# Altium PCB LimePSB-RPCM_1v3.PcbDoc (part 3 of 10) (continued)
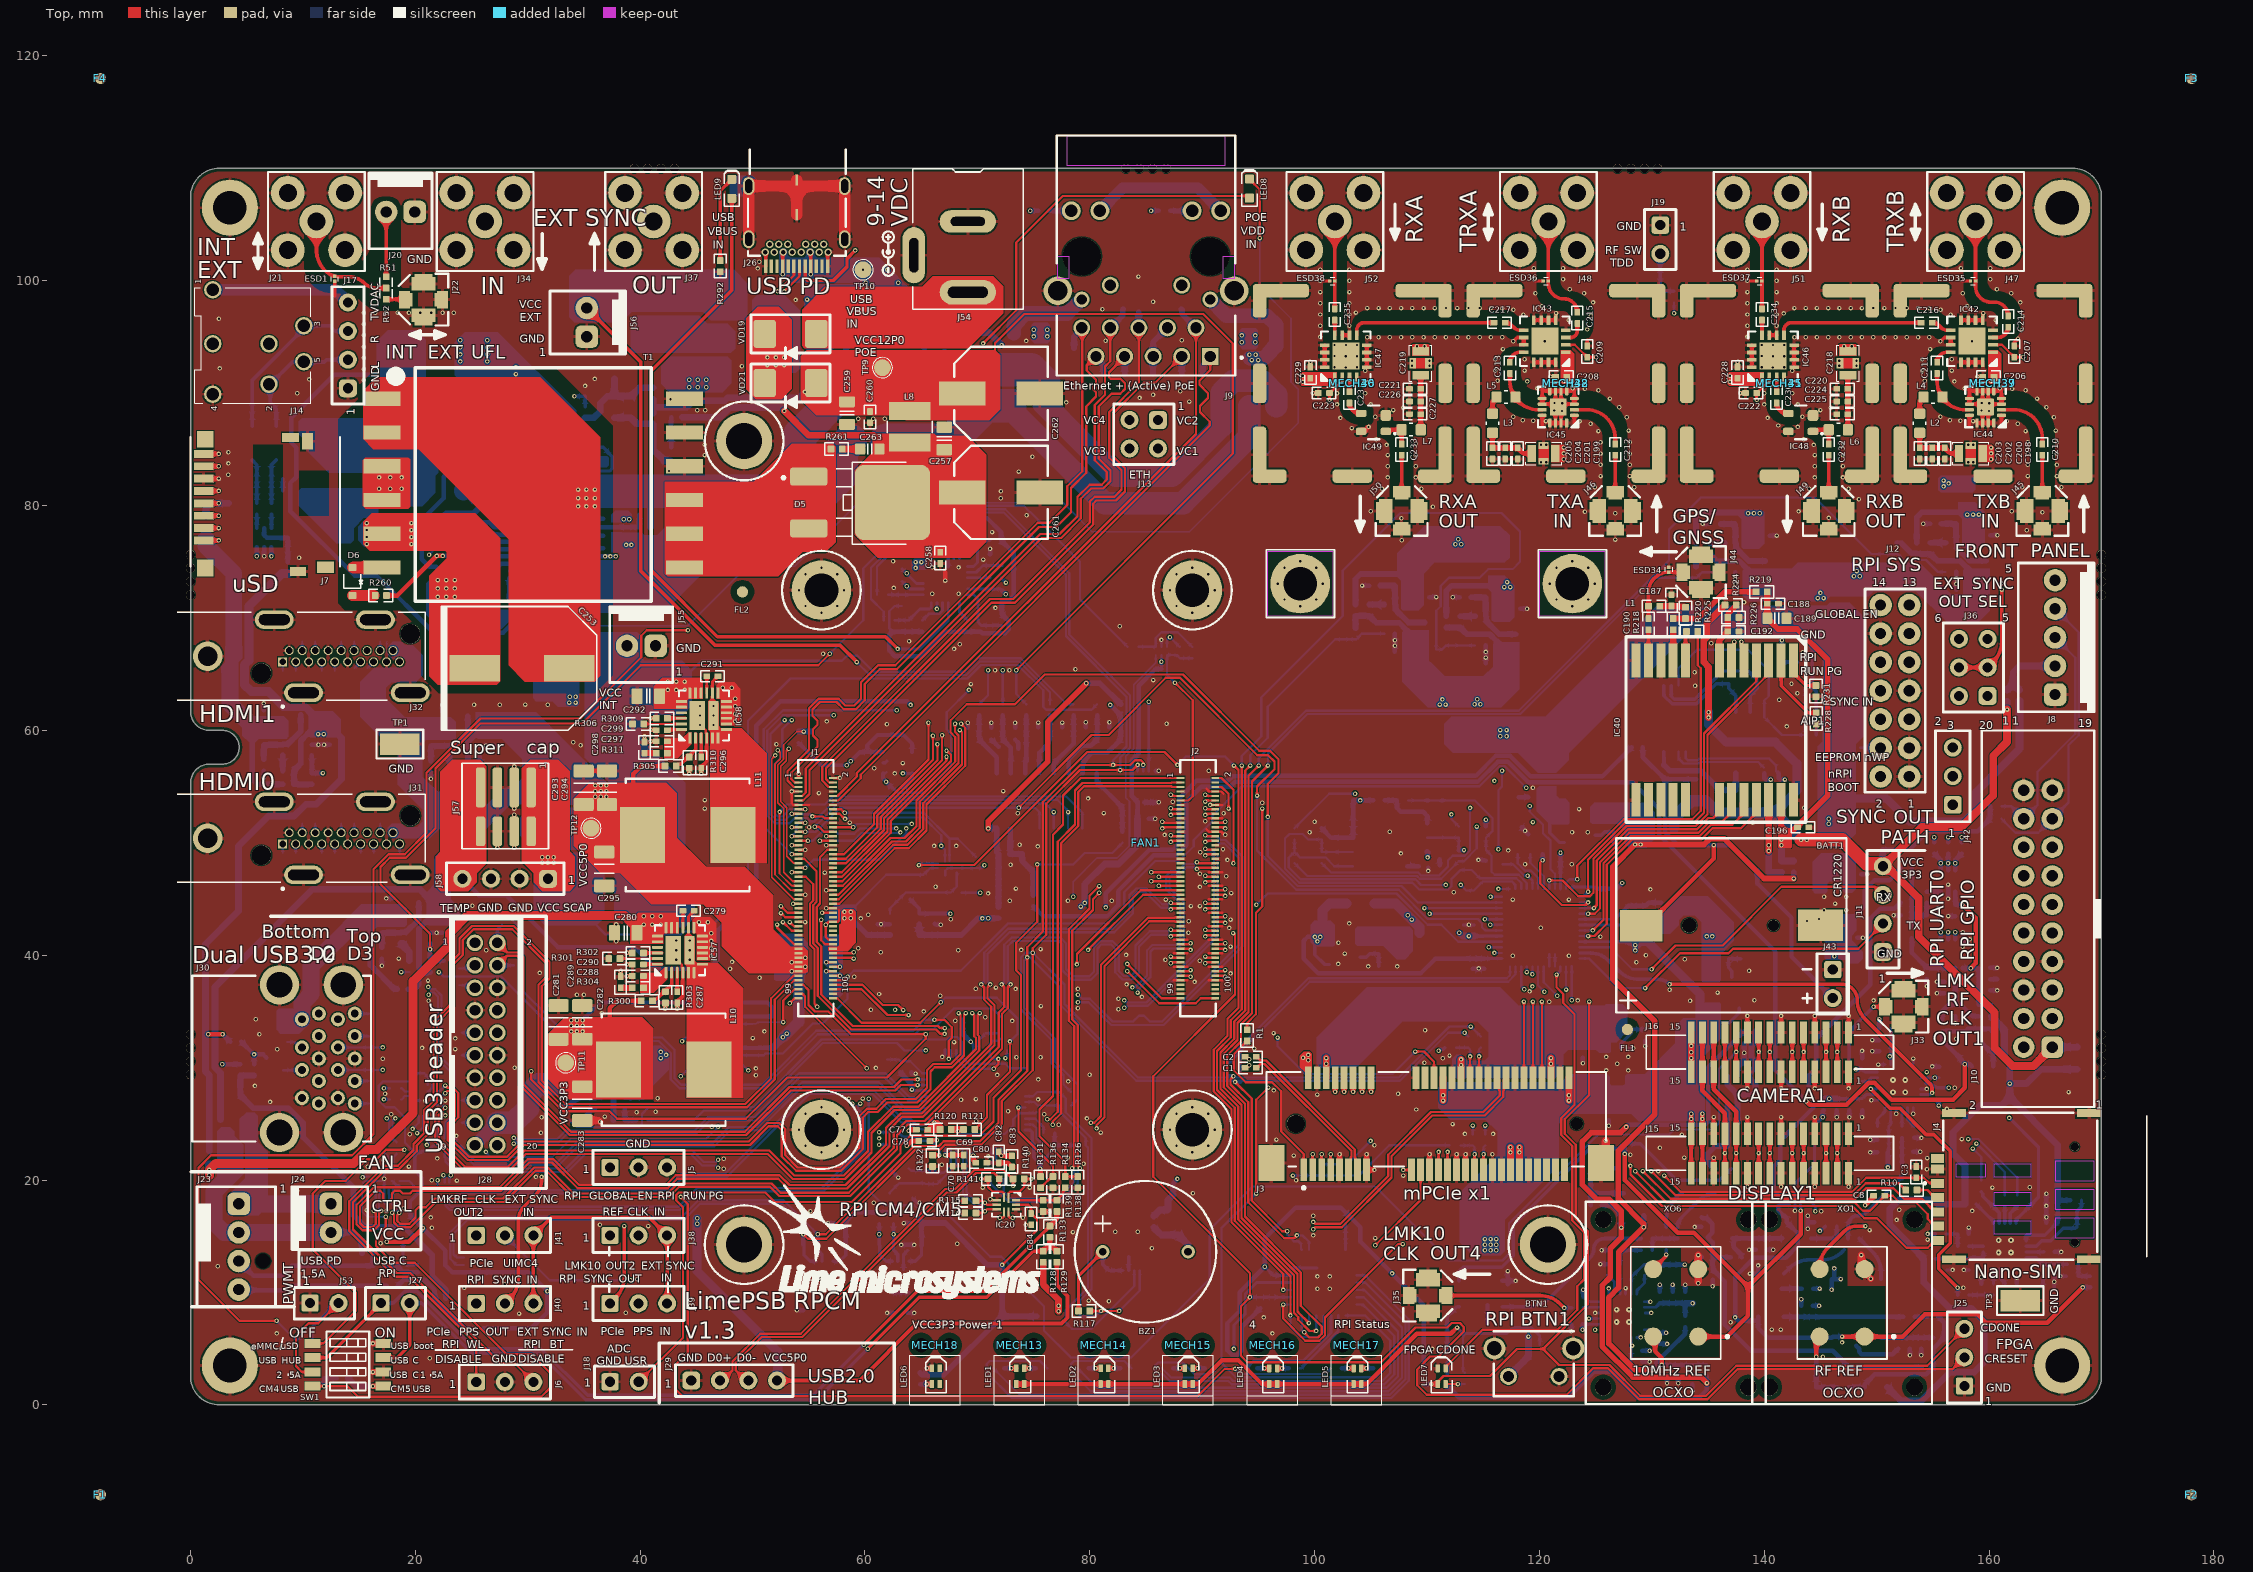
[diagram p0: Top view]
## Part data (continued)
C16 C34 C87 C92 C96 C132 C133 C183 C184 C236 C237 C238 C239 C287 C296: library part Cap_0402, Capacitance=1, Capacitance Tolerance="± 10%", Ceramic Capacitor Case="0402 [1005 Metric]", Dielectric Characteristic=X6, Manufacturer=Yageo, Manufacturer Part Number 1=CC0402MRX5R6BB105, Supplier Part Number 1=311-1732-1-ND, Voltage Rating=10, MSL=-, Part Description="1µF 10V Ceramic Capacitor X5R 0402 (1005 Metric) 0.039\" L x 0.020\" W (1.00mm x 0.50mm)", Product Range="TDK - C Series", RoHS=YES, Supplier 1=Digi-Key
  C132 C133 C183 C184: Assembly Info=NF
C28 C53 C55 C57 C59 C62 C64 C66: library part Cap_0402, Capacitance=4.7µF, Manufacturer="Murata Electronics North America", Manufacturer Part Number=GRM155R60J475ME87D, Operating Temperature="-55°C ~ 85°C", Package / Case="0402 (1005 Metric)", Ratings=-, Supplier Part Number 1=490-5408-1-ND, Temperature Coefficient=X5R, Tolerance=±20%, Voltage - Rated=6.3V, Applications="General Purpose", Category=Capacitors, Features="Derating Recommended", Height - Seated (Max)=-, Lead Spacing=-, Lead Style=-, Manufacturer Part Number 1=GRM155R60J475ME87D, Mounting Type="Surface Mount, MLCC", Packaging="Cut Tape (CT)", Part Description="4.7µF ±20% 6.3V X5R Ceramic Capacitor -55°C ~ 85°C Surface Mount, MLCC 0402 (1005 Metric) 0.039\" L x 0.020\" W (1.00mm x 0.50mm)", RoHS="RoHS Compliant", Size / Dimension="0.039\" L x 0.020\" W (1.00mm x 0.50mm)", Supplier 1=Digi-Key, Thickness (Max)="0.022\" (0.55mm)"
C111 C119 C120 C126 C127 C128 C129 C136 C137 C138 C139 C142 C144 C145 C146 C162 C170 C171 C177 C178 C179 C180 C190 C197 C203 C205 C206 C208 C210 C211 C212 C213 C214 C215 C216 C217 C225 C227 C228 C229 C230 C231 C232 C233 C234 C235: library part Cap_0402, Capacitance=100pF, Manufacturer=Yageo, Manufacturer Part Number 1=CC0402JRNPO9BN101, Operating Temperature="-55°C ~ 125°C", Package / Case="0402 (1005 Metric)", Ratings=-, Supplier Part Number 1=311-1024-1-ND, Temperature Coefficient="C0G, NP0", Tolerance=±5%, Voltage - Rated=50V, Applications="General Purpose", Category=Capacitors, Features=-, Height - Seated (Max)=-, Lead Spacing=-, Lead Style=-, Mounting Type="Surface Mount, MLCC", Packaging="Cut Tape (CT)", Part Description="100pF ±5% 50V C0G, NP0 Ceramic Capacitor -55°C ~ 125°C Surface Mount, MLCC 0402 (1005 Metric) 0.039\" L x 0.020\" W (1.00mm x 0.50mm)", RoHS="RoHS Compliant", Size / Dimension="0.039\" L x 0.020\" W (1.00mm x 0.50mm)", Supplier 1=Digi-Key, Thickness (Max)="0.022\" (0.55mm)"
C116 C121 C167 C172: library part Cap_0402, "CAP CER 1UF 10V X5R 0402", Capacitance=1, Capacitance Tolerance="± 10%", Ceramic Capacitor Case="0402 [1005 Metric]", Dielectric Characteristic=X6, Manufacturer=Yageo, Manufacturer Part Number 1=CC0402MRX5R6BB105, Supplier Part Number 1=311-1732-1-ND, Voltage Rating=10, Assembly Info=NF, MSL=-, Part Description="1µF 10V Ceramic Capacitor X5R 0402 (1005 Metric) 0.039\" L x 0.020\" W (1.00mm x 0.50mm)", Product Range="TDK - C Series", RoHS=YES, Supplier 1=Digi-Key
C123 C174: library part Cap_0402, Capacitance=0.018µF, Manufacturer=Yageo, Manufacturer Part Number 1=CC0402KRX7R7BB183, Operating Temperature="-55°C ~ 125°C", Package / Case="0402 (1005 Metric)", Supplier Part Number 1=311-1706-1-ND, Temperature Coefficient=X7R, Tolerance=±10%, Voltage - Rated=16V, Applications="General Purpose", Assembly Info=NF, Category=Capacitors, Mounting Type="Surface Mount, MLCC", Packaging="Cut Tape (CT)", Part Description="0.018µF ±10% 16V Ceramic Capacitor X7R 0402 (1005 Metric)", Part Status=Active, RoHS="RoHS Compliant", Size / Dimension="0.039\" L x 0.020\" W (1.00mm x 0.50mm)", Supplier 1=Digi-Key, Thickness (Max)="0.022\" (0.55mm)"
C148 C150 C151: library part Cap_0402, Manufacturer="Murata Electronics North America", Manufacturer Part Number 1=GCM155R71H102KA37D, Operating Temperature="-55°C ~ 125°C", Package / Case="0402 (1005 Metric)", Ratings=AEC-Q200, Supplier Part Number 1=490-4761-1-ND, Temperature Coefficient=X7R, Tolerance=±10%, Voltage - Rated=50V, Applications=Automotive, Category=Capacitors, Features=-, Height - Seated (Max)=-, Lead Spacing=-, Lead Style=-, Mounting Type="Surface Mount, MLCC", Packaging="Cut Tape (CT)", Part Description="1000pF ±10% 50V Ceramic Capacitor X7R 0402 (1005 Metric)", Part Status=Active, RoHS="RoHS Compliant", Size / Dimension="0.039\" L x 0.020\" W (1.00mm x 0.50mm)", Supplier 1=Digi-Key, Thickness (Max)="0.022\" (0.55mm)"
C157: library part Cap_0402, Capacitance=220pF, Manufacturer=Yageo, Manufacturer Part Number 1=CC0402KRX7R9BB221, Operating Temperature="-55°C ~ 125°C", Package / Case="0402 (1005 Metric)", Ratings=-, Supplier Part Number 1=311-1035-2-ND, Temperature Coefficient=X7R, Tolerance=±10%, Voltage - Rated=50V, Applications="General Purpose", Category=Capacitors, Features=-, Height - Seated (Max)=-, Lead Spacing=-, Lead Style=-, Mounting Type="Surface Mount, MLCC", Packaging="Tape & Reel (TR)", Part Description="220pF ±10% 50V X7R Ceramic Capacitor -55°C ~ 125°C Surface Mount, MLCC 0402 (1005 Metric) 0.039\" L x 0.020\" W (1.00mm x 0.50mm)", RoHS="RoHS Compliant", Size / Dimension="0.039\" L x 0.020\" W (1.00mm x 0.50mm)", Supplier 1=Digi-Key, Thickness (Max)="0.022\" (0.55mm)"
C189: library part Cap_0603, Capacitance=10µF, Manufacturer=Yageo, Manufacturer Part Number 1=CC0603MRX5R5BB106, Package / Case="0603 (1608 Metric)", Supplier Part Number 1=311-1448-2-ND, Tolerance=±20%, Voltage - Rated=6.3V, Category=Capacitors, Part Description="10µF ±20% 6.3V X5R Ceramic Capacitor -55°C ~ 85°C Surface Mount, MLCC 0603 (1608 Metric) 0.063\" L x 0.031\" W (1.60mm x 0.80mm)", Supplier 1=Digi-Key
C198 C199 C218 C219: library part Cap_feed_through, Capacitance=470nF, Case/Package=0805, Case Code (Metric)=2012, Current=2A, DC Resistance (DCR)=30mR, Insulation Resistance=1GR, Manufacturer=Murata, Manufacturer Part Number 1=NFM21PC474R1C3D, Max Operating Temperature=125°C, Max Voltage Rating (DC)=16V, Min Operating Temperature=-55°C, Package Quantity=1, Supplier Part Number 1=490-2537-1-ND, Tolerance=20%, Case Code (Imperial)=0805, Current Rating=2A, Depth=1.25mm, Height=0.85mm, Lead Free="Lead Free", Length=2mm, Max Current Rating=2A, Mount="Surface Mount,PCB", Packaging="Tape and Reel", Part Description="0.47µF Feed Through Capacitor 16V 2A 30mOhm 0805 (2012 Metric), 3 PC Pad", Pricing 1="1=0,25000, 10=0,22900, 25=0,21840, 50=0,21160, 100=0,20450, 250=0,19392, 500=0,16218, 1000=0,12586 (USD)", Radiation Hardening=No, REACH SVHC="No SVHC", RoHS=Yes, Stock 1=220606, Supplier 1=Digi-Key, Termination=Flat, Voltage=16V, Voltage Rating=16V, Voltage Rating (DC)=16V, Weight=0.000194oz, Width=1.25mm
C207 C209 C222 C223 C265: library part Cap_0402, Manufacturer="Murata Electronics North America", Manufacturer Part Number 1=GRM155R71H103KA88D, Operating Temperature="-55°C ~ 125°C", Package / Case="0402 (1005 Metric)", Ratings=-, Supplier Part Number 1=490-4516-2-ND, Temperature Coefficient=X7R, Tolerance=±10%, Voltage - Rated=50V, Applications="General Purpose", Category=Capacitors, ComponentLink1Description=http://www.murata.com/~/media/webrenewal/support/library/catalog/products/capacitor/mlcc/c02e.ashx?la=en-us, ComponentLink1URL=http://www.murata.com/~/media/webrenewal/support/library/catalog/products/capacitor/mlcc/c02e.ashx?la=en-us, Features=-, Height - Seated (Max)=-, Lead Spacing=-, Lead Style=-, Mounting Type="Surface Mount, MLCC", Packaging="Tape & Reel (TR)", Part Description="10000pF ±10% 50V Ceramic Capacitor X7R 0402 (1005 Metric)", Part Status=Active, Pricing 1="10000=0.00185, 20000=0.00176, 30000=0.00167 (USD)", RoHS="RoHS Compliant", Size / Dimension="0.039\" L x 0.020\" W (1.00mm x 0.50mm)", Stock 1=10970000, Supplier 1=Digi-Key, Thickness (Max)="0.022\" (0.55mm)"
C252 C254: library part Cap_0603, Manufacturer="Murata Electronics North America", Manufacturer Part Number 1=GRM188R72A104KA35D, Operating Temperature="-55°C ~ 125°C", Package / Case="0603 (1608 Metric)", Ratings=-, Supplier Part Number 1=490-3285-1-ND, Temperature Coefficient=X7R, Tolerance=±10%, Voltage - Rated=100V, Applications="General Purpose", Category=Capacitors, Features=-, Height - Seated (Max)=-, Lead Spacing=-, Lead Style=-, Mounting Type="Surface Mount, MLCC", Notification="Current market demand for these product types have resulted in fluctuating and extending lead times. Lead times may differ.", Packaging="Cut Tape (CT)", Part Description="0.1µF ±10% 100V Ceramic Capacitor X7R 0603 (1608 Metric)", Part Status="Not For New Designs", RoHS="RoHS Compliant", Size / Dimension="0.063\" L x 0.031\" W (1.60mm x 0.80mm)", Supplier 1=Digi-Key, Thickness (Max)="0.035\" (0.90mm)"
C253: library part Cap_ceramic, Capacitance=100uF, Case/Package=Radial, Manufacturer=KEMET, Manufacturer Part Number 1=EEV107M063A9PAA, Max Operating Temperature=105°C, Min Operating Temperature=-40°C, Package Quantity=1, Supplier Part Number 1=399-6702-1-ND, Tolerance=20%, Voltage Rating=63V, ComponentLink1Description=http://components.arrow.com/part/dataview/41677645S8110057N1386, ComponentLink1URL=http://components.arrow.com/part/dataview/41677645S8110057N1386, ComponentLink2Description=https://www.distrelec.biz/Web/Downloads/_t/ds/PAN-FK_eng_tds.pdf?mime=application%2Fpdf, ComponentLink2URL=https://www.distrelec.biz/Web/Downloads/_t/ds/PAN-FK_eng_tds.pdf?mime=application%2Fpdf, ComponentLink3Description=http://uk.rs-online.com/webdocs/139e/0900766b8139e40f.pdf, ComponentLink3URL=http://uk.rs-online.com/webdocs/139e/0900766b8139e40f.pdf, ComponentLink4Description=http://www.alliedelec.com/m/d/e9dd47fa10a053d1f2828ce8bc944f54.pdf, ComponentLink4URL=http://www.alliedelec.com/m/d/e9dd47fa10a053d1f2828ce8bc944f54.pdf, ComponentLink5Description=https://industrial.panasonic.com/cdbs/www-data/pdf/RDE0000/ABA0000C1181.pdf, ComponentLink5URL=https://industrial.panasonic.com/cdbs/www-data/pdf/RDE0000/ABA0000C1181.pdf, ComponentLink6Description=http://www.farnell.com/datasheets/2002520.pdf, ComponentLink6URL=http://www.farnell.com/datasheets/2002520.pdf, ComponentLink7Description=http://industrial.panasonic.com/www-data/pdf/ABA0000/ABA0000CE120.pdf, ComponentLink7URL=http://industrial.panasonic.com/www-data/pdf/ABA0000/ABA0000CE120.pdf, ComponentLink8Description=http://www.farnell.com/datasheets/731857.pdf, ComponentLink8URL=http://www.farnell.com/datasheets/731857.pdf, ComponentLink9Description=http://www.produktinfo.conrad.com/datenblaetter/425000-449999/443507-da-01-en-SMD_ELKO_VFK_F_22_UF_100V.pdf, ComponentLink9URL=http://www.produktinfo.conrad.com/datenblaetter/425000-449999/443507-da-01-en-SMD_ELKO_VFK_F_22_UF_100V.pdf, ComponentLink10Description=https://industrial.panasonic.com/cdbs/www-data/pdf/RDE0000/DME0000COL90.pdf, ComponentLink10URL=https://industrial.panasonic.com/cdbs/www-data/pdf/RDE0000/DME0000COL90.pdf, ComponentLink11Description=http://www.industrial.panasonic.com/www-data/pdf/ABA0000/ABA0000CE2.pdf, ComponentLink11URL=http://www.industrial.panasonic.com/www-data/pdf/ABA0000/ABA0000CE2.pdf, ComponentLink12Description=http://www.mouser.com/ds/2/315/ABA0000C1145-947633.pdf, ComponentLink12URL=http://www.mouser.com/ds/2/315/ABA0000C1145-947633.pdf, ComponentLink13Description=http://www.farnell.com/datasheets/2648708.pdf, ComponentLink13URL=http://www.farnell.com/datasheets/2648708.pdf, ComponentLink14Description=http://industrial.panasonic.com/www-data/pdf/ABA0000/ABA0000CE2.pdf, ComponentLink14URL=http://industrial.panasonic.com/www-data/pdf/ABA0000/ABA0000CE2.pdf, ComponentLink15Description=https://datasheet.ciiva.com/15949/41cat-db-al-cgieejppdfnamemve-cgieejppdfnamemve-15949785.pdf?src-supplier=Onlinecomponents.com, ComponentLink15URL=https://datasheet.ciiva.com/15949/41cat-db-al-cgieejppdfnamemve-cgieejppdfnamemve-15949785.pdf?src-supplier=Onlinecomponents.com, ComponentLink16Description=http://www.mouser.com/ds/2/212/KEM_A4002_EEV-535332.pdf?src-supplier=Mouser, ComponentLink16URL=http://www.mouser.com/ds/2/212/KEM_A4002_EEV-535332.pdf?src-supplier=Mouser, ComponentLink17Description=https://content.kemet.com/datasheets/KEM_A4002_EEV.pdf?src-supplier=Digi-Key, ComponentLink17URL=https://content.kemet.com/datasheets/KEM_A4002_EEV.pdf?src-supplier=Digi-Key, Height - Seated (Max)=0.413inch, Length=10.2mm, Life (Hours)=2000Hour, Mount="Surface Mount", Packaging="Tape and Reel", Part Description="100 µF 63 V Aluminum Electrolytic Capacitors Radial, Can - SMD 2000 Hrs @ 105°C", Pricing 1="1=0,92000, 10=0,69700, 50=0,57940, 100=0,49890 (USD)", RoHS=Yes, Stock 1=5871, Supplier 1=Digi-Key, Termination=SMD/SMT, Voltage Rating (DC)=63V
C255: library part Cap_0603, Capacitance=1nF, Case/Package=0603, Case Code (Metric)=1608, Dielectric=X7R, Dielectric Material=Ceramic, Manufacturer=KEMET, Manufacturer Part Number 1=C0603C102K1RACTU, Max Operating Temperature=125°C, Min Operating Temperature=-55°C, Package Quantity=1, Supplier Part Number 1=399-7831-2-ND, Tolerance=10%, Voltage=100V, Case Code (Imperial)=0603, Depth=0.8mm, Dissipation Factor=10%, Height=0.8mm, Lead Pitch=0.7mm, Length=1.6mm, Mount="Surface Mount", Number of Pins=2, Packaging="Tape and Reel", Part Description="1000pF ±10% 100V Ceramic Capacitor X7R 0603 (1608 Metric)", Radiation Hardening=No, REACH SVHC="No SVHC", Supplier 1=Digi-Key, Termination=SMD/SMT, Thickness=0.034inch, Voltage Rating=100V, Voltage Rating (DC)=100V, Width=0.8mm
C256: library part Cap_1206, Manufacturer="TDK Corporation", Manufacturer Part Number 1=C3216X7S2A225K160AE, Operating Temperature="-55°C ~ 125°C", Package / Case="1206 (3216 Metric)", Ratings=-, Supplier Part Number 1=445-8900-1-ND, Temperature Coefficient=X7S, Tolerance=±10%, Voltage - Rated=100V, Applications="Boardflex Sensitive", Category=Capacitors, Failure Rate=-, Features="Soft Termination", Height - Seated (Max)=-, Lead Spacing=-, Lead Style=-, Mounting Type="Surface Mount, MLCC", Packaging="Cut Tape (CT)", Part Description="2.2µF ±10% 100V Ceramic Capacitor X7S 1206 (3216 Metric)", Part Status=Active, RoHS="RoHS Compliant", Size / Dimension="0.126\" L x 0.063\" W (3.20mm x 1.60mm)", Supplier 1=Digi-Key, Thickness (Max)="0.075\" (1.90mm)"
C257 C259 C280 C284 C292: library part Cap_0603, Capacitance=10uF, Case/Package=0805, Case Code (Metric)=2012, Dielectric=X5R, Manufacturer=Murata, Manufacturer Part Number 1=GRM21BR61E106KA73K, Max Operating Temperature=85°C, Min Operating Temperature=-55°C, Package Quantity=10000, Supplier Part Number 1=490-16824-1-ND, Tolerance=10%, Voltage Rating=25V, Case Code (Imperial)=0805, ComponentLink1Description=http://www.mouser.com/ds/2/281/c02e-2905.pdf?src-supplier=Mouser, ComponentLink1URL=http://www.mouser.com/ds/2/281/c02e-2905.pdf?src-supplier=Mouser, ComponentLink2Description=http://search.murata.co.jp/Ceramy/image/img/A01X/G101/ENG/GRM21BR61E106KA73-01.pdf?src-supplier=Digi-Key, ComponentLink2URL=http://search.murata.co.jp/Ceramy/image/img/A01X/G101/ENG/GRM21BR61E106KA73-01.pdf?src-supplier=Digi-Key, ComponentLink3Description=https://search.murata.co.jp/Ceramy/image/img/A01X/G101/ENG/GRM21BR61E106KA73-01.pdf?src-supplier=Digi-Key, ComponentLink3URL=https://search.murata.co.jp/Ceramy/image/img/A01X/G101/ENG/GRM21BR61E106KA73-01.pdf?src-supplier=Digi-Key, Length=0.079inch, Mount="Surface Mount", Packaging="Tape and Reel", Part Description="CAP CER 10UF 25V X5R 0805", Pricing 1="1=0,19, 10=0,13, 50=0,0778, 100=0,0656, 500=0,0449, 1000=0,03972, 2500=0,038, 5000=0,03454 (USD)", RoHS=Yes, RoHS Compliant=Yes, Series=GRM, Stock 1=781136, Supplier 1=Digi-Key, Thickness=0.055inch, Voltage Rating (DC)=25V, Weight=0.000335oz, Width=0.049inch
  C257: Assembly Info=NF
C258 C260 C285 C286 C290: library part Cap_0402, Capacitance=0.022µF, Manufacturer=Kemet, Manufacturer Part Number 1=C0402C223K5RACTU, Operating Temperature="-55°C ~ 125°C", Package / Case="0402 (1005 Metric)", Ratings=-, Supplier Part Number 1=399-7780-1-ND, Temperature Coefficient=X7R, Tolerance=±10%, Voltage - Rated=50V, Applications="General Purpose", Category=Capacitors, Features=-, Height - Seated (Max)=-, Lead Spacing=-, Lead Style=-, Mounting Type="Surface Mount, MLCC", Packaging="Cut Tape (CT)", Part Description="0.022µF ±10% 50V X7R Ceramic Capacitor -55°C ~ 125°C Surface Mount, MLCC 0402 (1005 Metric) 0.039\" L x 0.020\" W (1.00mm x 0.50mm)", RoHS="RoHS Compliant", Size / Dimension="0.039\" L x 0.020\" W (1.00mm x 0.50mm)", Supplier 1=Digi-Key, Thickness (Max)="0.022\" (0.55mm)"
C261 C262: library part Cap_ceramic, Capacitance=100uF, Case/Package=Radial, ESR (Equivalent Series Resistance)=20mR, Manufacturer="Wurth Electronics", Manufacturer Part Number 1=875105344010, Max Operating Temperature=105°C, Min Operating Temperature=-55°C, Package Quantity=1, Ripple Current=2.69A, Supplier Part Number 1=732-6425-1-ND, Tolerance=20%, Voltage Rating=16V, ComponentLink1Description=http://components.arrow.com/part/dataview/41677645S8110057N1386, ComponentLink1URL=http://components.arrow.com/part/dataview/41677645S8110057N1386, ComponentLink2Description=https://www.distrelec.biz/Web/Downloads/_t/ds/PAN-FK_eng_tds.pdf?mime=application%2Fpdf, ComponentLink2URL=https://www.distrelec.biz/Web/Downloads/_t/ds/PAN-FK_eng_tds.pdf?mime=application%2Fpdf, ComponentLink3Description=http://uk.rs-online.com/webdocs/139e/0900766b8139e40f.pdf, ComponentLink3URL=http://uk.rs-online.com/webdocs/139e/0900766b8139e40f.pdf, ComponentLink4Description=http://www.alliedelec.com/m/d/e9dd47fa10a053d1f2828ce8bc944f54.pdf, ComponentLink4URL=http://www.alliedelec.com/m/d/e9dd47fa10a053d1f2828ce8bc944f54.pdf, ComponentLink5Description=https://industrial.panasonic.com/cdbs/www-data/pdf/RDE0000/ABA0000C1181.pdf, ComponentLink5URL=https://industrial.panasonic.com/cdbs/www-data/pdf/RDE0000/ABA0000C1181.pdf, ComponentLink6Description=http://www.farnell.com/datasheets/2002520.pdf, ComponentLink6URL=http://www.farnell.com/datasheets/2002520.pdf, ComponentLink7Description=http://industrial.panasonic.com/www-data/pdf/ABA0000/ABA0000CE120.pdf, ComponentLink7URL=http://industrial.panasonic.com/www-data/pdf/ABA0000/ABA0000CE120.pdf, ComponentLink8Description=http://www.farnell.com/datasheets/731857.pdf, ComponentLink8URL=http://www.farnell.com/datasheets/731857.pdf, ComponentLink9Description=http://www.produktinfo.conrad.com/datenblaetter/425000-449999/443507-da-01-en-SMD_ELKO_VFK_F_22_UF_100V.pdf, ComponentLink9URL=http://www.produktinfo.conrad.com/datenblaetter/425000-449999/443507-da-01-en-SMD_ELKO_VFK_F_22_UF_100V.pdf, ComponentLink10Description=https://industrial.panasonic.com/cdbs/www-data/pdf/RDE0000/DME0000COL90.pdf, ComponentLink10URL=https://industrial.panasonic.com/cdbs/www-data/pdf/RDE0000/DME0000COL90.pdf, ComponentLink11Description=http://www.industrial.panasonic.com/www-data/pdf/ABA0000/ABA0000CE2.pdf, ComponentLink11URL=http://www.industrial.panasonic.com/www-data/pdf/ABA0000/ABA0000CE2.pdf, ComponentLink12Description=http://www.mouser.com/ds/2/315/ABA0000C1145-947633.pdf, ComponentLink12URL=http://www.mouser.com/ds/2/315/ABA0000C1145-947633.pdf, ComponentLink13Description=http://www.farnell.com/datasheets/2648708.pdf, ComponentLink13URL=http://www.farnell.com/datasheets/2648708.pdf, ComponentLink14Description=http://industrial.panasonic.com/www-data/pdf/ABA0000/ABA0000CE2.pdf, ComponentLink14URL=http://industrial.panasonic.com/www-data/pdf/ABA0000/ABA0000CE2.pdf, ComponentLink15Description=http://www.farnell.com/datasheets/1880501.pdf?src-supplier=Farnell, ComponentLink15URL=http://www.farnell.com/datasheets/1880501.pdf?src-supplier=Farnell, ComponentLink16Description=http://www.farnell.com/datasheets/1880501.pdf?src-supplier=Element14, ComponentLink16URL=http://www.farnell.com/datasheets/1880501.pdf?src-supplier=Element14, ComponentLink17Description=https://katalog.we-online.de/pbs/datasheet/875105344010.pdf?src-supplier=Digi-Key, ComponentLink17URL=https://katalog.we-online.de/pbs/datasheet/875105344010.pdf?src-supplier=Digi-Key, ComponentLink18Description=http://katalog.we-online.de/pbs/datasheet/875105344010.pdf?src-supplier=Digi-Key, ComponentLink18URL=http://katalog.we-online.de/pbs/datasheet/875105344010.pdf?src-supplier=Digi-Key, Height - Seated (Max)=0.228inch, Life (Hours)=2000Hour, Mount="Surface Mount", Packaging="Cut Tape", Part Description="100 µF 16 V Aluminum - Polymer Capacitors Radial, Can - SMD 20mOhm 2000 Hrs @ 105°C", Polarity=Polar, Pricing 1="1=0,67000, 50=0,57400, 100=0,50000, 250=0,44500, 500=0,38900 (USD)", RoHS=Yes, RoHS Compliant=Yes, Series=WCAP-PSLP, Stock 1=19075, Supplier 1=Digi-Key, Voltage Rating (DC)=16V
  C262: Assembly Info=NF
C263: library part Cap_0402, Manufacturer="Walsin Technologies", Manufacturer Part Number 1=0603B471K201CT, Supplier Part Number 1=791-0603B471K201CT, Part Description="Multilayer Ceramic Capacitors MLCC - SMD/SMT 470pF, +-10%, 200V", Pricing 1="1=0,11000, 10=0,05200, 50=0,05200, 100=0,02400, 1000=0,01300, 10000=0,00900 (USD)", RoHS=Yes, RoHS Compliant=Yes, Stock 1=8000, Supplier 1=Mouser
C264: library part Cap_0402, Capacitance=470nF, Case/Package=0603, Case Code (Metric)=1608, Dielectric=X5R, Manufacturer="Taiyo Yuden", Manufacturer Part Number 1=UMK107ABJ474KA-T, Max Operating Temperature=85°C, Min Operating Temperature=-55°C, Package Quantity=1, Supplier Part Number 1=587-3171-1-ND, Tolerance=10%, Voltage=50V, Case Code (Imperial)=0603, ComponentLink1Description=http://www.mouser.com/ds/2/281/c02e-2905.pdf?src-supplier=Mouser, ComponentLink1URL=http://www.mouser.com/ds/2/281/c02e-2905.pdf?src-supplier=Mouser, ComponentLink2Description=http://search.murata.co.jp/Ceramy/image/img/A01X/partnumbering_e_01.pdf?src-supplier=Digi-Key, ComponentLink2URL=http://search.murata.co.jp/Ceramy/image/img/A01X/partnumbering_e_01.pdf?src-supplier=Digi-Key, ComponentLink3Description=http://search.murata.co.jp/Ceramy/image/img/A01X/G101/ENG/GRM155R61H474KE11-01.pdf?src-supplier=Digi-Key, ComponentLink3URL=http://search.murata.co.jp/Ceramy/image/img/A01X/G101/ENG/GRM155R61H474KE11-01.pdf?src-supplier=Digi-Key, ComponentLink4Description=https://search.murata.co.jp/Ceramy/image/img/A01X/G101/ENG/GRM155R61H474KE11-01.pdf?src-supplier=Digi-Key, ComponentLink4URL=https://search.murata.co.jp/Ceramy/image/img/A01X/G101/ENG/GRM155R61H474KE11-01.pdf?src-supplier=Digi-Key, ComponentLink5Description=https://datasheet.ciiva.com/30226/445umk107abj474ka-t-30226784.pdf?src-supplier=Onlinecomponents.com, ComponentLink5URL=https://datasheet.ciiva.com/30226/445umk107abj474ka-t-30226784.pdf?src-supplier=Onlinecomponents.com, ComponentLink6Description=https://datasheet.ciiva.com/6282/umk107abj474ka-t-6282326.pdf?src-supplier=Digi-Key, ComponentLink6URL=https://datasheet.ciiva.com/6282/umk107abj474ka-t-6282326.pdf?src-supplier=Digi-Key, ComponentLink7Description=https://datasheet.ciiva.com/15922/30umk107abj474ka-t-15922603.pdf?src-supplier=Onlinecomponents.com, ComponentLink7URL=https://datasheet.ciiva.com/15922/30umk107abj474ka-t-15922603.pdf?src-supplier=Onlinecomponents.com, ComponentLink8Description=https://datasheet.ciiva.com/11600/umk107abj474ka-t-ss-11600413.pdf?src-supplier=Avnet, ComponentLink8URL=https://datasheet.ciiva.com/11600/umk107abj474ka-t-ss-11600413.pdf?src-supplier=Avnet, ComponentLink9Description=https://datasheet.ciiva.com/6282/umk107abj474ka-t-6282332.pdf?src-supplier=Digi-Key, ComponentLink9URL=https://datasheet.ciiva.com/6282/umk107abj474ka-t-6282332.pdf?src-supplier=Digi-Key, Construction=Flat, Depth=0.8mm, Height=0.8mm, Lead Free="Lead Free", Length=1.6mm, Mount="Surface Mount", Packaging="Tape and Reel", Part Description="0.47 µF ±10% 50V Ceramic Capacitor X5R 0603 (1608 Metric)", Pricing 1="1=0,15000, 10=0,10900, 50=0,06200, 100=0,05140, 500=0,03604, 1000=0,02984 (USD)", Radiation Hardening=No, RoHS=Yes, RoHS Compliant=Yes, Series=M, Stock 1=614194, Supplier 1=Digi-Key, Termination=SMD/SMT, Thickness=0.037inch, Voltage Rating=50V, Voltage Rating (DC)=50V, Width=0.8mm
C266: library part Cap_0402, Capacitance=100pF, Case/Package=0603, Case Code (Metric)=1608, Dielectric=C0G, Dielectric Material=Ceramic, Manufacturer=Yageo, Manufacturer Part Number 1=CC0603JRNPOABN101, Max Operating Temperature=125°C, Min Operating Temperature=-55°C, Supplier Part Number 1=311-3979-1-ND, Tolerance=5%, Voltage Rating=200V, Applications="General Purpose", Case Code (Imperial)=0603, ComponentLink1Description=https://datasheet.ciiva.com/8033/1669968-8033768.pdf?src-supplier=Element14, ComponentLink1URL=https://datasheet.ciiva.com/8033/1669968-8033768.pdf?src-supplier=Element14, ComponentLink2Description=https://datasheet.ciiva.com/8033/1669968-8033767.pdf?src-supplier=Element14, ComponentLink2URL=https://datasheet.ciiva.com/8033/1669968-8033767.pdf?src-supplier=Element14, ComponentLink3Description=https://datasheet.ciiva.com/13263/upy-gp-np0-16v-to-50v-8-3714-13263783.pdf?src-supplier=Mouser, ComponentLink3URL=https://datasheet.ciiva.com/13263/upy-gp-np0-16v-to-50v-8-3714-13263783.pdf?src-supplier=Mouser, ComponentLink4Description=https://datasheet.ciiva.com/11465/upy-np0x7r-mv-100-to-630v-9-11465021.pdf?src-supplier=Avnet, ComponentLink4URL=https://datasheet.ciiva.com/11465/upy-np0x7r-mv-100-to-630v-9-11465021.pdf?src-supplier=Avnet, Construction=Flat, Depth=0.8mm, Height=0.8mm, Length=1.6mm, Mount="Surface Mount", Packaging="Tape and Reel", Part Description="CAP CER 100PF 200V C0G/NPO 0603", Pricing 1="1=0,11000, 10=0,08400, 50=0,04560, 100=0,03720, 500=0,02660, 1000=0,02090 (USD)", Radiation Hardening=No, REACH SVHC=Unknown, Resistor Type=Ceramic, RoHS=Yes, RoHS Compliant=Yes, Series=CC, Stock 1=39006, Supplier 1=Digi-Key, Termination=SMD/SMT, Thickness=0.035inch, Voltage Rating (DC)=200V, Weight=7.1E-05oz, Width=0.031inch
C267: library part Cap_1206, Capacitance=1nF, Case/Package=1812, Case Code (Metric)=4532, Dielectric=X7R, Dielectric Material=Ceramic, Manufacturer=KEMET, Manufacturer Part Number=C1812C102KGRACAUTO, Manufacturer Part Number 1=C1812C102KGRACTU, Max Operating Temperature=125°C, Min Operating Temperature=-55°C, Operating Temperature="-55°C ~ 125°C", Package / Case="1812 (4532 Metric)", Ratings=-, Supplier Part Number 1=399-3447-1-ND, Tolerance=±10%, Voltage - Rated="2000V (2kV)", Voltage Rating (DC)=2kV, Applications="General Purpose", Case Code (Imperial)=1812, Category=Capacitors, Failure Rate=-, Features="High Voltage", Height - Seated (Max)=-, Lead Spacing=-, Lead Style=-, Length=4.5mm, Mounting Type="Surface Mount, MLCC", Notification="Current market demand for these product types have resulted in fluctuating and extending lead times. Lead times may differ.", Packaging="Cut Tape (CT)", Part Description="1000pF ±10% 2000V (2kV) Ceramic Capacitor X7R 1812 (4532 Metric)", Part Status=Active, Pricing 2="1=0.51, 10=0.355, 100=0.2132, 500=0.1599 (USD)", RoHS="RoHS Compliant", Size / Dimension="0.177\" L x 0.126\" W (4.50mm x 3.20mm)", Stock 2=4004, Supplier 1=Digi-Key, Supplier 2=Digi-Key, Supplier Part Number 2=399-16774-1-ND, Temperature Coefficient=X7R, Termination=SMD/SMT, Thickness (Max)="0.061\" (1.55mm)", Weight=0.000952oz, Width=3.2mm
C268 C269: library part Cap_0603, Capacitance=47nF, Case/Package=0603, Case Code (Metric)=1608, Dielectric=X7R, Manufacturer=Yageo, Manufacturer Part Number 1=CC0603KRX7R9BB473, Max Operating Temperature=125°C, Min Operating Temperature=-55°C, Package Quantity=1, Supplier Part Number 1=311-1427-1-ND, Tolerance=10%, Voltage=50V, Case Code (Imperial)=0603, ComponentLink1Description=http://www.yageo.com/documents/recent/UPY-GPHC_X7R_6.3V-to-50V_18.pdf, ComponentLink1URL=http://www.yageo.com/documents/recent/UPY-GPHC_X7R_6.3V-to-50V_18.pdf, ComponentLink2Description=http://www.yageo.com/exep/pages/download/literatures/ProductSelectionGuide%202014_Final_2.pdf, ComponentLink2URL=http://www.yageo.com/exep/pages/download/literatures/ProductSelectionGuide%202014_Final_2.pdf, ComponentLink3Description=http://documents.rs-components.com/techlib://itc_doclist_GB.htm?stockno=6698811, ComponentLink3URL=http://documents.rs-components.com/techlib://itc_doclist_GB.htm?stockno=6698811, ComponentLink4Description=http://www.farnell.com/datasheets/1489800.pdf, ComponentLink4URL=http://www.farnell.com/datasheets/1489800.pdf, ComponentLink5Description=https://www.verical.com/server-webapp/html/getDatasheet?partID=403593, ComponentLink5URL=https://www.verical.com/server-webapp/html/getDatasheet?partID=403593, Composition=Ceramic, Depth=0.8mm, Halogen Free="Halogen Free", Height=0.8mm, Lead Free="Lead Free", Length=1.6mm, Mount="Surface Mount", Packaging="Tape and Reel", Part Description="0.047µF ±10% 50V Ceramic Capacitor X7R 0603 (1608 Metric)", Pricing 1="1=0.11, 10=0.08, 100=0.0358, 500=0.02558, 1000=0.0201 (USD)", Radiation Hardening=No, REACH SVHC=Unknown, Stock 1=1174358, Supplier 1=Digi-Key, Termination=SMD/SMT, Thickness=0.035inch, Voltage Rating=50V, Voltage Rating (DC)=50V, Width=0.031inch
C270 C271 C272: library part Cap_0603, Manufacturer="Samsung Electro-Mechanics", Manufacturer Part Number 1=CL10A105KA8NNNC, Operating Temperature="-55°C ~ 85°C", Package / Case="0603 (1608 Metric)", Ratings=-, Supplier Part Number 1=1276-1102-1-ND, Temperature Coefficient=X5R, Tolerance=±10%, Voltage - Rated=25V, Applications="General Purpose", Category=Capacitors, Features=-, Height - Seated (Max)=-, Lead Spacing=-, Lead Style=-, Mounting Type="Surface Mount, MLCC", Notification="Current market demand for these product types have resulted in fluctuating and extending lead times. Lead times may differ.", Packaging="Cut Tape (CT)", Part Description="1µF ±10% 25V Ceramic Capacitor X5R 0603 (1608 Metric)", Part Status=Active, RoHS="RoHS Compliant", Size / Dimension="0.063\" L x 0.031\" W (1.60mm x 0.80mm)", Supplier 1=Digi-Key, Thickness (Max)="0.035\" (0.90mm)"
C277 C278: library part Cap_0402, Capacitance=390pF, Case/Package=0402, Case Code (Metric)=1005, Dielectric=X7R, Manufacturer=Samsung, Manufacturer Part Number 1=CL05B391KB5NNNC, Max Operating Temperature=125°C, Min Operating Temperature=-55°C, Package Quantity=1, Supplier Part Number 1=1276-1560-1-ND, Tolerance=10%, Voltage=50V, Case Code (Imperial)=0402, ComponentLink1Description=https://datasheet.ciiva.com/25738/cl05b391kb5nnnc-25738709.pdf?src-supplier=Digi-Key, ComponentLink1URL=https://datasheet.ciiva.com/25738/cl05b391kb5nnnc-25738709.pdf?src-supplier=Digi-Key, ComponentLink2Description=https://datasheet.ciiva.com/26838/getdatasheetpartid-660062-26838242.pdf?src-supplier=Verical, ComponentLink2URL=https://datasheet.ciiva.com/26838/getdatasheetpartid-660062-26838242.pdf?src-supplier=Verical, ComponentLink3Description=https://datasheet.ciiva.com/16202/cl05b104kq5nnnc-16202591.pdf?src-supplier=Future+Electronics, ComponentLink3URL=https://datasheet.ciiva.com/16202/cl05b104kq5nnnc-16202591.pdf?src-supplier=Future+Electronics, Construction=Flat, Depth=0.5mm, Height=0.5mm, Length=1mm, Mount="Surface Mount", Packaging="Tape and Reel", Part Description="390 pF ±10% 50V Ceramic Capacitor X7R 0402 (1005 Metric)", Pricing 1="1=0,10000, 10=0,03400, 50=0,01860, 100=0,01520, 500=0,01088, 1000=0,00855, 2500=0,00778, 5000=0,00715 (USD)", Radiation Hardening=No, RoHS=Yes, RoHS Compliant=Yes, Series=CL, Stock 1=1313447, Supplier 1=Digi-Key, Thickness=0.022inch, Voltage Rating=50V, Width=0.02inch
C281 C282 C293 C294: library part Cap_1206, Manufacturer="Samsung Electro-Mechanics", Manufacturer Part Number=CL31A476MQHNNNE, Operating Temperature="-55°C ~ 85°C", Package / Case="1206 (3216 Metric)", Ratings=-, Supplier Part Number 1=1276-1167-1-ND, Temperature Coefficient=X5R, Tolerance=±20%, Voltage - Rated=6.3V, Applications="General Purpose", Category=Capacitors, Features=-, Height - Seated (Max)=-, Lead Spacing=-, Lead Style=-, Manufacturer Part Number 1=CL31A476MQHNNNE, Mounting Type="Surface Mount, MLCC", Notification="Current market demand for these product types have resulted in fluctuating and extending lead times. Lead times may differ.", Packaging="Cut Tape (CT)", Part Description="47µF ±20% 6.3V Ceramic Capacitor X5R 1206 (3216 Metric)", Part Status=Active, RoHS="RoHS Compliant", Size / Dimension="0.126\" L x 0.063\" W (3.20mm x 1.60mm)", Supplier 1=Digi-Key, Thickness (Max)="0.071\" (1.80mm)"
  C294: Assembly Info=NF
C283 C295: library part Cap_1206, Capacitance Tolerance="± 20%", Ceramic Capacitor Case="1206 [3216 Metric]", Manufacturer=MURATA, Manufacturer Part Number 1=GRM31CR60J107ME39L., Supplier Part Number 1=1735535, Voltage Rating=6.3, Assembly Info=NF, Part Description="SMD Multilayer Ceramic Capacitor, 1206 [3216 Metric], 100 µF, 6.3 V, ± 20%, X5R, GRM Series", Supplier 1=Farnell
C288: library part Cap_0402, Capacitance=4.7, Capacitance Tolerance="± 0.25", Ceramic Capacitor Case="0402 [1005 Metric]", Dielectric Characteristic="C0G / NP0", Manufacturer="Murata Electronics North America", Manufacturer Part Number 1=GRM1555C1H4R7CA01D, Operating Temperature Max=125, Operating Temperature Min=-55, Supplier Part Number 1=2434644, Voltage Rating=50, MSL="MSL 1 - Unlimited", Packaging="Cut Tape", Part Description="4.7pF ±0.25pF 50V C0G, NP0 Ceramic Capacitor -55°C ~ 125°C Surface Mount, MLCC 0402 (1005 Metric) 0.039\" L x 0.020\" W (1.00mm x 0.50mm)", Product Range="GRM Series", RoHS=YES, Supplier 1=Farnell, SVHC="No SVHC (15-Jun-2015"